# Altium PCB host_board.PcbDoc (part 2 of 7)
Units mm, origin at the board's own origin, x right, y up, seen from the top; angles counter-clockwise.
Board outline 87.1 x 62.94 mm, 4 copper layers (Top Layer, GND, Power, Bottom Layer), stack 1.59 mm thick; 217 components, 247 nets, 1076 pads, 563 vias.
Unrouted connection lines stored in the file: 56.
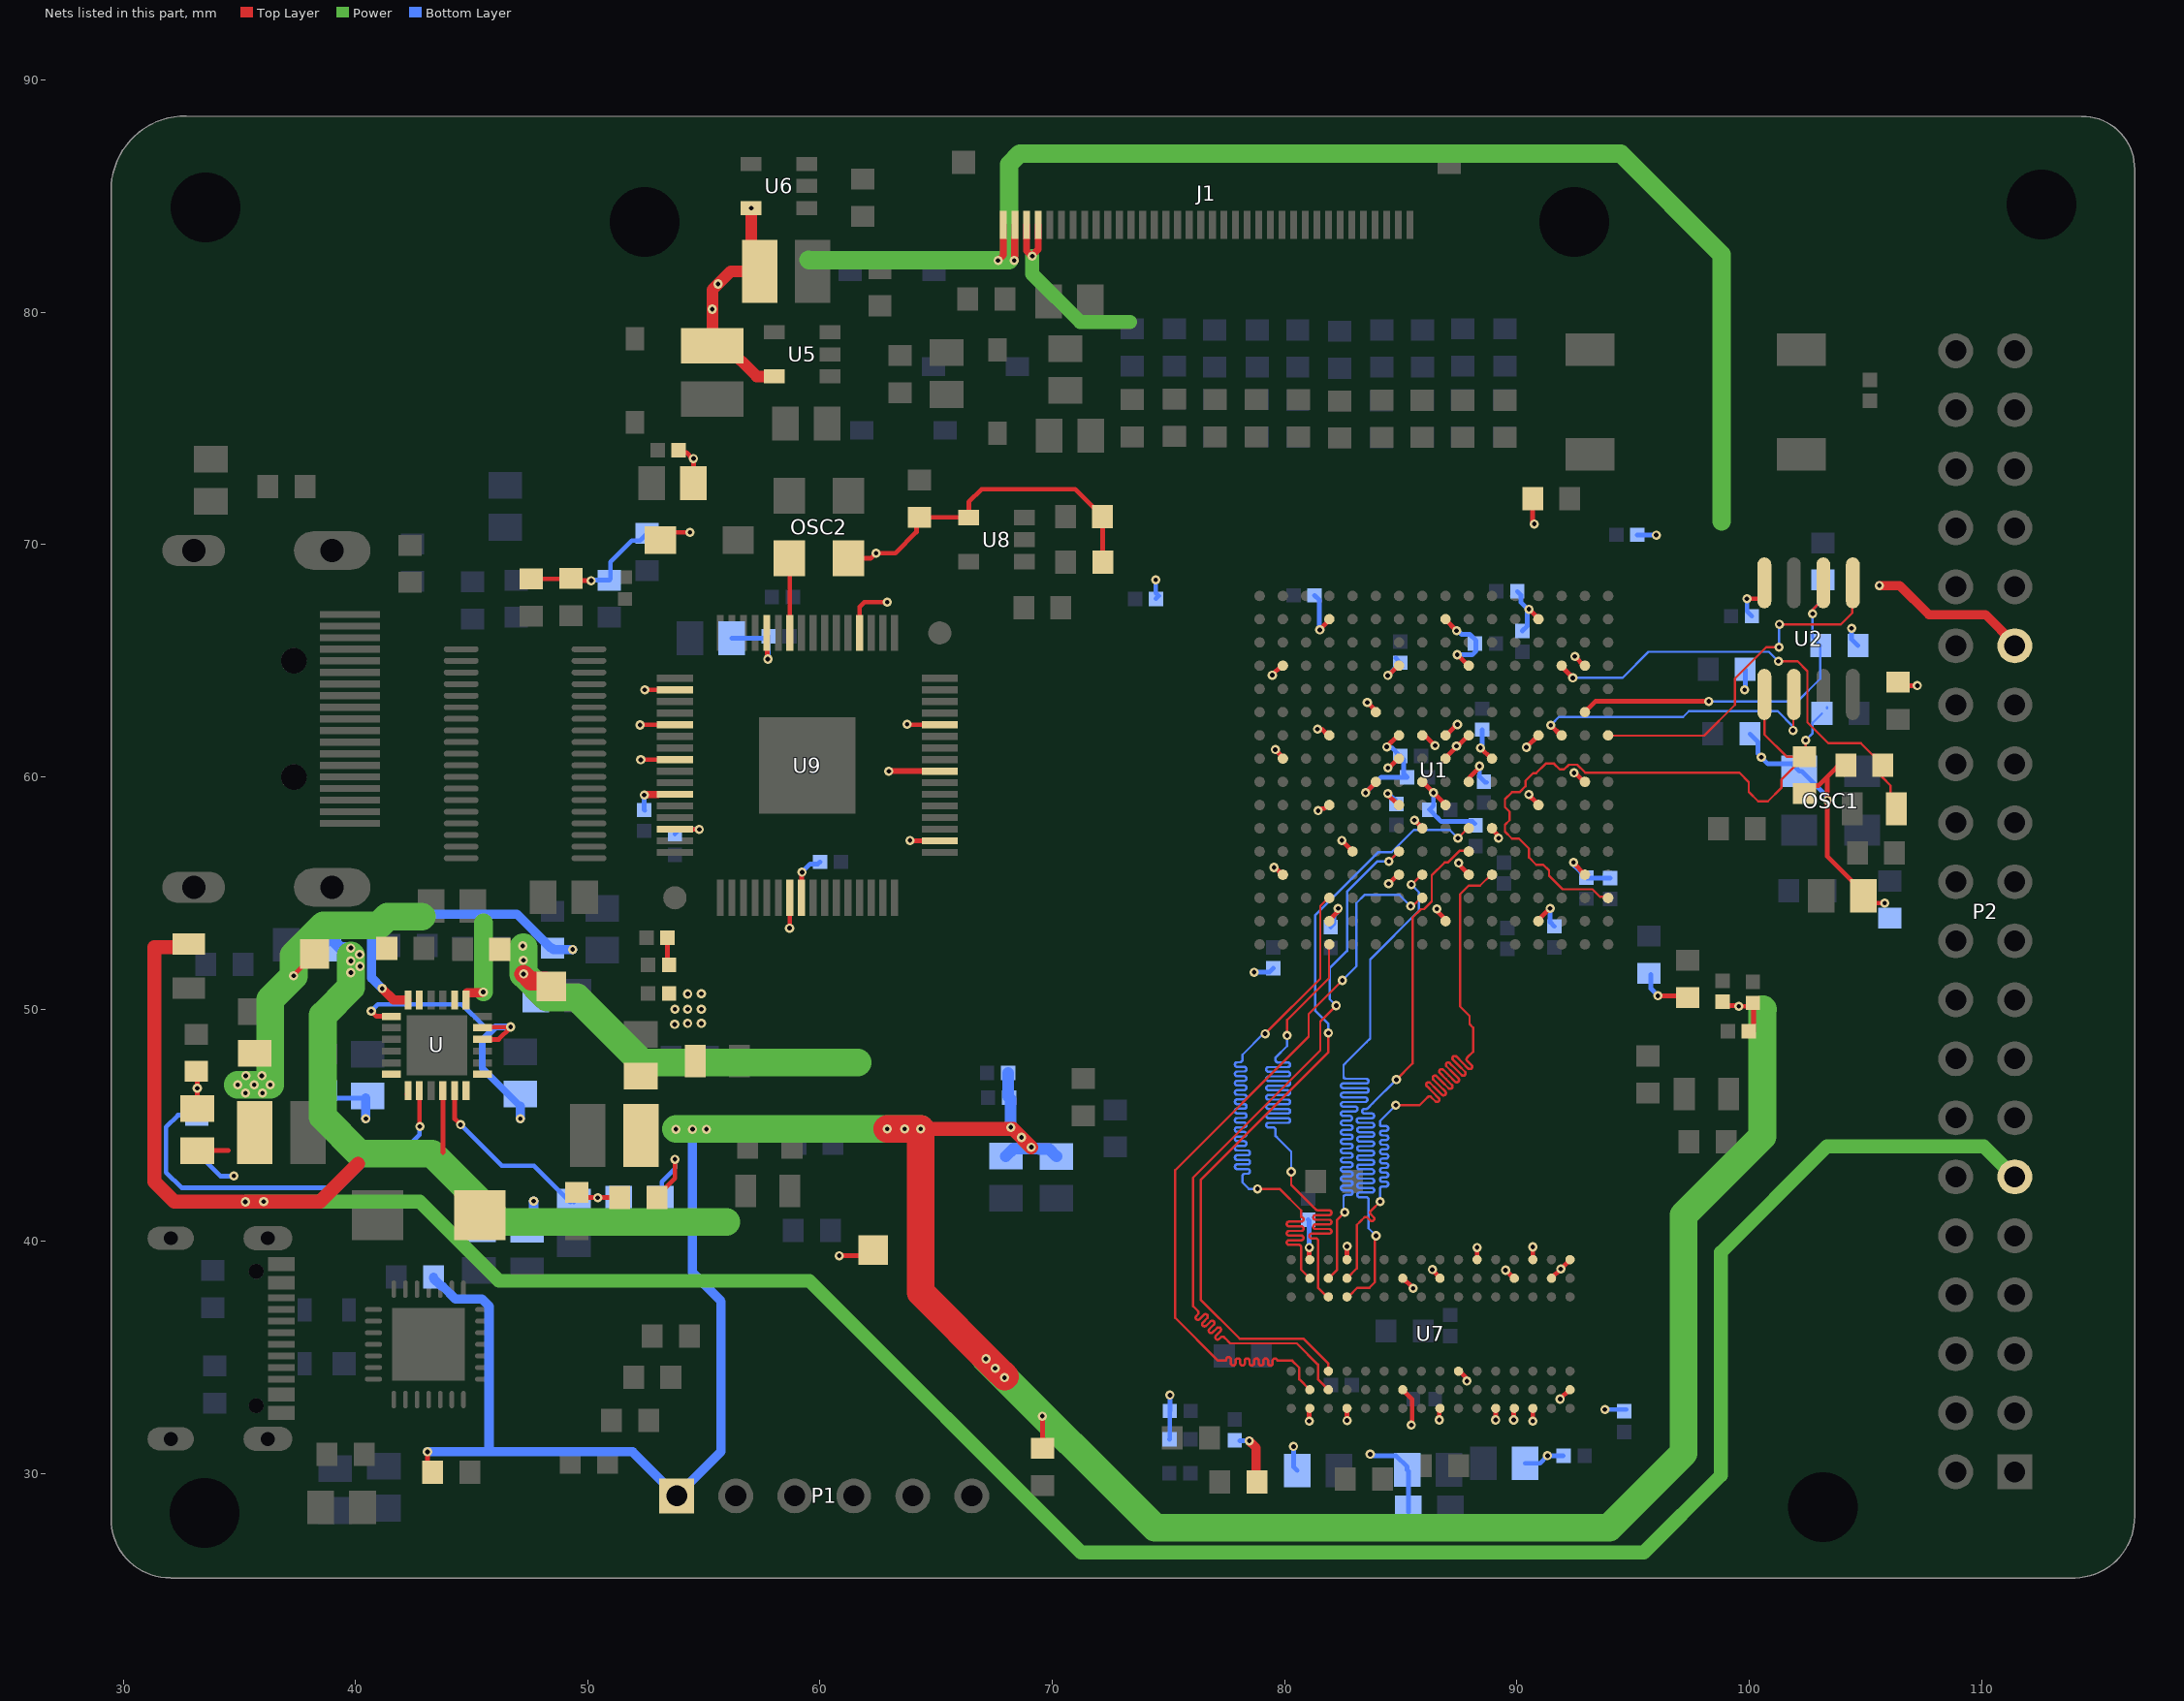
[diagram p4: the nets of this part, all layers, seen from the top]

## Footprints (in the part's own frame and the unit in brackets; to place one, negate y for a bottom-side part, rotate by r counter-clockwise, add the part's x,y. Pads: shape width x height; smd on the part's side, far side on the other; paste and mask are expansions set on the pad) (continued)
MOLX-54104-3633 [mm] "FPC Connector, 36-Leads, Right Angle, Pitch 0.5 mm, Mated Height 2.0 mm, SMT"
  rect 0.3x1.2 smd: 1(-8.75,1.35) 2(-8.25,1.35) 3(-7.75,1.35) 4(-7.25,1.35) 5(-6.75,1.35) 6(-6.25,1.35) 7(-5.75,1.35) 8(-5.25,1.35) 9(-4.75,1.35) 10(-4.25,1.35) 11(-3.75,1.35) 12(-3.25,1.35) 13(-2.75,1.35) 14(-2.25,1.35) 15(-1.75,1.35) 16(-1.25,1.35) 17(-0.75,1.35) 18(-0.25,1.35) 19(0.25,1.35) 20(0.75,1.35) 21(1.25,1.35) 22(1.75,1.35) 23(2.25,1.35) 24(2.75,1.35) 25(3.25,1.35) 26(3.75,1.35) 27(4.25,1.35) 28(4.75,1.35) 29(5.25,1.35) 30(5.75,1.35) 31(6.25,1.35) 32(6.75,1.35) 33(7.25,1.35) 34(7.75,1.35) 35(8.25,1.35) 36(8.75,1.35)
  rect 1x1 smd mask+0: MP1(-10.45,-1.35) MP2(10.45,-1.35)
  Top Layer region: -9.65,-2.55 -9.65,-0.15 -11.25,-0.15 -11.25,-0.95 -12.05,-0.95 -12.05,-2.55
  Top Layer region: 9.65,-2.55 9.65,-0.15 11.25,-0.15 11.25,-0.95 12.05,-0.95 12.05,-2.55
  silkscreen extent -11.75,-5.5 11.75,2.62, body extent -11.75,-5.5 11.75,1.65, height 2.06
OSC_IQD_CFPS-69 [mm] "Oscillator, Side Concave, 2.54mm Pitch, 4 Pins, 3.20mm L X 5.00mm W X 1.00mm H, CFPS-69 Series"
  rect 1.55x1.35 smd: 1(-1.35,1.27) 2(-1.35,-1.27) 3(1.35,-1.27) 4(1.35,1.27)
  silkscreen extent -2.33,-2.5 1.6,2.67, body extent -1.7,-2.6 1.7,2.6, height 0.95
PB_TYCO_FSM6JSMA [mm] "Body 6mm x 6mm, Surface Mount Tactile Switches, TYCO FSM6JSMA Series"
  rect 1.4x2.1 smd: 1(-2.25,4.55) 2(-2.25,-4.55) 3(2.25,4.55) 4(2.25,-4.55)
  silkscreen extent -3,-3 3,3, body extent -3,-5 3,5, height 7.11
QFN400X400X80-25N [mil]
  rect 32x12 smd: 1(-77,49) 2(-77,30) 3(-77,10) 4(-77,-10) 5(-77,-30) 6(-77,-49) 13(77,-49) 14(77,-30) 15(77,-10) 16(77,10) 17(77,30) 18(77,49)
  rect 12x32 smd: 7(-49,-77) 8(-30,-77) 9(-10,-77) 10(10,-77) 11(30,-77) 12(49,-77) 19(49,77) 20(30,77) 21(10,77) 22(-10,77) 23(-30,77) 24(-49,77)
  rect 102x102 smd: 25(0,0)
  silkscreen extent -79,-79 79,79
QFP50P1200X1200X120-65N-S415 [mm] "QFP,0.50mm pitch,square;16 pin X 16 pin,10.00mm X 10.00mm X 1.20mm H body (w/thermal tab 4.15 X 4.15 mm), IPC Medium Density"
  rect 1.55x0.3 smd: 1(-5.7,3.75) 2(-5.7,3.25) 3(-5.7,2.75) 4(-5.7,2.25) 5(-5.7,1.75) 6(-5.7,1.25) 7(-5.7,0.75) 8(-5.7,0.25) 9(-5.7,-0.25) 10(-5.7,-0.75) 11(-5.7,-1.25) 12(-5.7,-1.75) 13(-5.7,-2.25) 14(-5.7,-2.75) 15(-5.7,-3.25) 16(-5.7,-3.75) 33(5.7,-3.75) 34(5.7,-3.25) 35(5.7,-2.75) 36(5.7,-2.25) 37(5.7,-1.75) 38(5.7,-1.25) 39(5.7,-0.75) 40(5.7,-0.25) 41(5.7,0.25) 42(5.7,0.75) 43(5.7,1.25) 44(5.7,1.75) 45(5.7,2.25) 46(5.7,2.75) 47(5.7,3.25) 48(5.7,3.75)
  rect 0.3x1.55 smd: 17(-3.75,-5.7) 18(-3.25,-5.7) 19(-2.75,-5.7) 20(-2.25,-5.7) 21(-1.75,-5.7) 22(-1.25,-5.7) 23(-0.75,-5.7) 24(-0.25,-5.7) 25(0.25,-5.7) 26(0.75,-5.7) 27(1.25,-5.7) 28(1.75,-5.7) 29(2.25,-5.7) 30(2.75,-5.7) 31(3.25,-5.7) 32(3.75,-5.7) 49(3.75,5.7) 50(3.25,5.7) 51(2.75,5.7) 52(2.25,5.7) 53(1.75,5.7) 54(1.25,5.7) 55(0.75,5.7) 56(0.25,5.7) 57(-0.25,5.7) 58(-0.75,5.7) 59(-1.25,5.7) 60(-1.75,5.7) 61(-2.25,5.7) 62(-2.75,5.7) 63(-3.25,5.7) 64(-3.75,5.7)
  rect 4.15x4.15 smd: 65(0,0)
  round 1 smd paste-0.51 mask+0.5: FTG1(-5.7,-5.7) FTG2(5.7,5.7)
  Top Layer keep-out circle w0.1: c5.7,5.7 r1
  Top Layer keep-out circle w0.1: c-5.7,-5.7 r1
  silkscreen extent -6.32,-4.55 4.55,4.55, body extent -6.1,-6.1 6.1,6.1, height 1.2
RESC1005X40N [mm] "Chip Resistor, EIA 0402, Metric 1005, Body 1.0x0.5mm, IPC Medium Density"
  rect 0.58x0.62 smd: 1(-0.47,0) 2(0.47,0)
  body extent -0.52,-0.27 0.53,0.28, height 0.4
RESC1608X55N [mm] "Chip Resistor, EIA 0603, Metric 1608, Body 1.6x0.8mm, IPC Medium Density"
  rect 0.9x1 smd: 1(-0.8,0) 2(0.8,0)
  body extent -0.87,-0.47 0.88,0.48, height 0.55
SLAB-QFN-28-3125x3125TP_A_L [mm] "QFN, 28-Leads, Body 5x5mm, Pitch 0.5mm, Thermal Pad 3.13x3.13mm, IPC High Density"
  oval 0.75x0.2 smd: 1(-2.375,1.5) 2(-2.375,1) 3(-2.375,0.5) 4(-2.375,0) 5(-2.375,-0.5) 6(-2.375,-1) 7(-2.375,-1.5) 15(2.375,-1.5) 16(2.375,-1) 17(2.375,-0.5) 18(2.375,0) 19(2.375,0.5) 20(2.375,1) 21(2.375,1.5)
  oval 0.2x0.75 smd: 8(-1.5,-2.375) 9(-1,-2.375) 10(-0.5,-2.375) 11(0,-2.375) 12(0.5,-2.375) 13(1,-2.375) 14(1.5,-2.375) 22(1.5,2.375) 23(1,2.375) 24(0.5,2.375) 25(0,2.375) 26(-0.5,2.375) 27(-1,2.375) 28(-1.5,2.375)
  rect 3.13x3.13 smd: 29(0,0)
  silkscreen extent -3.42,-2.65 2.65,2.65, body extent -2.5,-2.5 2.5,2.5, height 1
SOD3715X145N [mm] "SOD Diode (SOD-123); 2.70mm W X 1.55mm L X 1.45mm H body, IPC Medium Density"
  rect 1x0.8 smd: 1(-1.8,0) 2(1.8,0)
  silkscreen extent -2.17,-0.8 1.35,1.02, body extent -1.95,-0.85 1.95,0.85, height 1.45
SOT190P230X110-4N [mm] "SOT143, SOT, 1.90mm Pitch; 4 Pin, 1.30mm W X 2.90mm L X 1.10mm H body, IPC Medium Density"
  rect 1x1 smd: 1(-1.15,0.75)
  rect 1x0.6 smd: 2(-1.15,-0.95) 3(1.15,-0.95) 4(1.15,0.95)
  silkscreen extent -1.52,-1.45 0.33,1.88, body extent -1.25,-1.5 1.25,1.5, height 1.1
SOT-23-OT5_L [mm] "SOT23, 5-Leads, Body 2.9x1.6mm, Pitch 0.95mm, Lead Span 2.7mm, IPC High Density"
  rect 0.9x0.65 smd: 1(-1.2,0.95) 2(-1.2,0) 3(-1.2,-0.95) 4(1.2,-0.95) 5(1.2,0.95)
  silkscreen extent -1.33,-1.55 0.35,1.95, body extent -0.9,-1.55 0.9,1.55, height 1.45
TE_1827059-3 [mm]
  rect 0.3x2.6 smd: 1(4.5,5) 2(4,5) 3(3.5,5) 4(3,5) 5(2.5,5) 6(2,5) 7(1.5,5) 8(1,5) 9(0.5,5) 10(0,5) 11(-0.5,5) 12(-1,5) 13(-1.5,5) 14(-2,5) 15(-2.5,5) 16(-3,5) 17(-3.5,5) 18(-4,5) 19(-4.5,5)
  oval 1.65x3.3 hole 1 slot 2.5 at 90 deg: S1(7.25,4.24) S2(-7.25,4.24)
  oval 1.35x2.7 hole 1 slot 1.5 at 90 deg: S3(-7.25,-1.72) S4(7.25,-1.72)
  round 1.1 hole 1.1 unplated: ""(-2.5,2.59) ""(2.5,2.59)
  silkscreen extent -7.5,-6.31 7.5,5.86, body extent -7.5,-6.26 7.5,5.84, height 6.09
TI-DBV5_L [mm] "SOT23, 5-Leads, Body 2.9x1.6mm, Pitch 0.95mm, IPC High Density"
  rect 0.9x0.6 smd: 1(-1.2,0.95) 2(-1.2,0) 3(-1.2,-0.95) 4(1.2,-0.95) 5(1.2,0.95)
  silkscreen extent -1.33,-1.55 0.35,1.92, body extent -0.87,-1.52 0.87,1.53, height 1.45
TPS127 [mm] "1.27 x  1.27mm SMD Test Point Area"
  rect 1.27x1.27 smd paste-1.27: 1(0,0)
  silkscreen extent -0.93,-0.94 0.94,0.93

## Part data
1V2 1V5 1V8: library part SMD_PAD_1.27X1.27MM, Author="CERN DEM JLC", Component Type="Standard (No BOM)", ComponentHeight=0mm, CreateDate=12.01.2008, Family="Test Point", HelpURL=Undefined, LatestRevisionDate=12.01.2008, Mounted=No, PackageDescription="1.27mm x 1.27mm PCB Copper Area (SMD Test Point)", Part Description="1.27mm x 1.27mm PCB Copper Area (SMD Test Point)", Part Number=SMD_PAD_1.27X1.27MM, Pin Count=1, Sense=No, SMD=Yes, Socket=No, Status=None
C1 C2 C3 C5 C8 C9 C12 C13 C30 C31 C38 C39 C40 C41 C42 C43 C44 C45 C46 C47 C48 C49 C50 C51 C52 C53 C54 C55 C56 C57 C58 C59 C61 C66 C67 C68 C69 C70 C71 C72 C74 C75 C76 C77 C78 C80: library part CC0402_100NF_16V_10%_X5R, "Non-polarised capacitor", Case=0402, Manufacturer=GENERIC, Manufacturer1 ComponentHeight=0.55mm, Manufacturer1 Example=MURATA, Manufacturer1 Part Number=GRM155R61C104KA88D, Tolerance=±10%, Voltage=16V, Author="CERN DEM JLC", Component Type=Standard, CreateDate=10.12.2013, HelpURL=\\cern.ch\dfs\Applications\Altium\Datasheets\CC0402_X5R_MURATA_GRM.pdf, LatestRevisionDate=10.12.2013, Manufacturer Part Number=CC0402_100NF_16V_10%_X5R, Mounted=Yes, Part Description="SMD Multilayer Chip Ceramic Capacitor", Part Number=CC0402_100NF_16V_10%_X5R, Pin Count=2, Sense=No, SMD=Yes, Socket=No, Status=None, TC=X5R
C4 C6 C7 C10 C11 C14 C15 C16 C17 C18 C19 C20 C21 C22 C23 C24 C25 C26 C27 C28 C29 C32 C33 C34 C35 C36 C37 C60 C62 C63 C64 C65 C79: library part CC0805_1.5NF_50V_5%_C0G, "Non-polarised capacitor", Case=0805, Manufacturer=GENERIC, Manufacturer1 ComponentHeight=1mm, Manufacturer1 Example=KEMET, Manufacturer1 Part Number=C0805C152J5GACTU, Tolerance=±5%, Voltage=50V, Author="CERN DEM BC", Component Type=Standard, CreateDate=18.11.2015, HelpURL="\\cern.ch\dfs\Applications\Altium\Datasheets\CC0805_C0G_KEMET_(Commercial Grade).pdf", LatestRevisionDate=18.11.2015, Manufacturer Part Number=CC0805_1.5NF_50V_5%_C0G, Mounted=Yes, Part Description="SMD Multilayer Chip Ceramic Capacitor", Part Number=CC0805_1.5NF_50V_5%_C0G, Pin Count=2, Sense=No, SMD=Yes, Socket=No, Status=Preferred, TC=C0G/NP0
D1: "Zener Diode", Case=SMB, Manufacturer="ON SEMICONDUCTOR", Power=3W, Voltage=4.7V, Author="CERN DEM MR", Bonding=No, Component Type=Standard, ComponentHeight=2.44mm, CreateDate=05.09.2016, Device=1SMB5917BT3G, HelpURL=\\cern.ch\dfs\Applications\Altium\Datasheets\1SMB5917BT3G.pdf, LatestRevisionDate=05.09.2016, Manufacturer Part Number=1SMB5917BT3G, Mounted=Yes, PackageDescription="DO-214-AA/SMB Diode, Molded Body; 5.40mm L X 3.62mm W X 2.44mm H, IPC Medium Density", Part Description="Plastic Surface Mount Zener Voltage Regulator Diode", Part Number=1SMB5917BT3G, Pin Count=2, PressFit=No, Sense=No, SMD=Yes, Socket=No
D2: "Ultra Low Capacitance Double Rail-to-Rail ESD Protection Diode", Case=SOT143B, Manufacturer="NXP SEMICONDUCTORS", Voltage=5.5V, Author="CERN DEM JLC", Bonding=No, Component Type=Standard, ComponentHeight=1.1mm, CreateDate=22.03.2011, Device=PRTR5V0U2X, HelpURL=\\cern.ch\dfs\Applications\Altium\Datasheets\PRTR5V0U2X.pdf, LatestRevisionDate=22.03.2011, Manufacturer Part Number=PRTR5V0U2X, Mounted=Yes, PackageDescription="SOT143B, SOT, 1.90mm Pitch; 4 Pin, 1.30mm W X 2.90mm L X 1.10mm H body, IPC Medium Density", Part Description="Ultra Low Capacitance (1pF) Double Rail-to-Rail ESD Protection Diode (8kV)", Part Number=PRTR5V0U2X, Pin Count=4, PressFit=No, Sense=No, SMD=Yes, Socket=No
D3 D4 D5 D6: "Zener Diode", Case=SOD123, Manufacturer="DIODES INCORPORATED", Power=0.5W, Voltage=5V6, Author="CERN DEM JLC", Bonding=No, ComponentHeight=1.45mm, Component Type=Standard, CreateDate=02.03.2015, Device=BZT52C5V6, HelpURL=\\cern.ch\dfs\Applications\Altium\Datasheets\BZT52C5V6.pdf, LatestRevisionDate=02.03.2015, Manufacturer Part Number=BZT52C5V6, Mounted=Yes, PackageDescription="SOD Diode (SOD123); 2.70mm W X 1.55mm L X 1.45mm H body, IPC Medium Density", Part Description="Surface Mount Zener Diode", Part Number=BZT52C5V6, Pin Count=2, PressFit=No, Sense=No, SMD=Yes, Socket=No
D7: "Zener Diode", Case=SOD123, Manufacturer="DIODES INCORPORATED", Power=500mW, Voltage=2V7, Author="CERN DEM JLC", Bonding=No, ComponentHeight=1.45mm, Component Type=Standard, CreateDate=02.03.2015, Device=BZT52C2V7, HelpURL=\\cern.ch\dfs\Applications\Altium\Datasheets\BZT52C2V7.pdf, LatestRevisionDate=02.03.2015, Manufacturer Part Number=BZT52C2V7, Mounted=Yes, PackageDescription="SOD Diode (SOD123); 2.70mm W X 1.55mm L X 1.45mm H body, IPC Medium Density", Part Description="Surface Mount Zener Diode", Part Number=BZT52C2V7, Pin Count=2, PressFit=No, Sense=No, SMD=Yes, Socket=No
DSI_R1 DSI_R2 DSI_R3 DSI_R4 DSI_R5 DSI_R6 DSI_R7 DSI_R8 DSI_R9 DSI_R10 DSI_R11 DSI_R12 DSI_R13 DSI_R14 DSI_R15 DSI_R16 DSI_R17 DSI_R18 DSI_R19 DSI_R20 DSI_R21 DSI_R22 DSI_R23 DSI_R24 DSI_R25 DSI_R26 DSI_R27 DSI_R28 DSI_R29 DSI_R30 R7 R8 R9 R10 R11 R13 R14 R15 R16 R17 R18 R19 R20 R21 R22 R23 R24 R25 R26 R27 R28 R29 R30 R31 R32 R33 R34 R35 R36 R37 R38 R39 R40 R41 R42 R43 R44 R45 R46 R47 R48 R49 R50 R51 R52 R53 R54 R55 R56 R57 R58 R59 R65 R66 R74 R75 R76 R77 R78 R81 R82 R83 R84 R85 R86 R87 R90: library part R0603_100K_1%_0.1W_100PPM, "Resistor - 1%", Case=0603, Manufacturer=GENERIC, Manufacturer1 ComponentHeight=0.55mm, Manufacturer1 Example="NIC COMPONENT", Manufacturer1 Part Number=NRC06F1003TRF, Power=0.1W, Tolerance=±1%, Author="CERN DEM JLC", Component Type=Standard, CreateDate=03.12.2007, HelpURL=\\cern.ch\dfs\Applications\Altium\Datasheets\R0603_NIC_NRC.pdf, LatestRevisionDate=13.03.2008, Manufacturer Part Number=R0603_100K_1%_0.1W_100PPM, Mounted=Yes, Part Description="General Purpose Thick Film Chip Resistor", Part Number=R0603_100K_1%_0.1W_100PPM, Pin Count=2, PressFit=No, Sense=No, SMD=Yes, Socket=No, Status=Preferred, TC=±100ppm/°C
J1: "0.5 mm Pitch Easy-On(TM) Type FPC Connector, 2.0 mm Mated Height, Right Angle, ZIF, SMT, Top Contact, 36 Circuits, -40 to 85 degC, ELV and RoHS Compliant, Tape and Reel", Current (Max per Contact)=0.5A, Manufacturer=Molex, Supplier Part Number 1=538-54104-3633, Voltage (Max)=50V, Circuits (Loaded)=36, ComponentLink1Description="Manufacturer URL", ComponentLink1URL=http://www.molex.com/molex/index.jsp, ComponentLink2Description=Datasheet, ComponentLink2URL=http://www.molex.com/webdocs/datasheets/pdf/en-us/0541043633_FFC_FPC_CONNECTORS.pdf, ComponentLink3Description="Package Specification", ComponentLink3URL=http://www.molex.com/pdm_docs/sd/541043633_sd.pdf, Contact Position=Top, Durability (mating cycles max)=20, Entry Angle="90degrees Angle", Mated Height=2.00mm, Material - Metal="Phosphor Bronze", Material - Plating Mating="Silver, Tin-Bismuth", Material - Plating Termination="Silver, Tin-Bismuth", Mounting Technology="Surface Mount", Number of Rows=1, Orientation="Right Angle", PackageDescription="36-Lead FPC Connector, Pitch 0.5 mm", PackageReference=54104-3633, PackageVersion="Rev. C, 04/2014", Packing="Tape and Reel", PartNumber=54104-3633, PCB Locator=No, PCB Retention=None, Pitch - Mating Interface=0.50mm, Pitch - Termination Interface=0.50mm, Polarized to PCB=Yes, RoHS=TRUE, Stackable=No, Supplier 1=Mouser
L1 L2 L3 L4: library part IND_22UH_10%_MURATA-PS_8200, "Inductor With Core", Manufacturer="MURATA POWER SOLUTIONS", Manufacturer Part Number=82223C, Power=320mA, Resistance=0.92R, Tolerance=±10%, Author="CERN DEM JMW", ComponentHeight=2.3mm, Component Type=Standard, CreateDate=07.10.2015, HelpURL=\\cern.ch\dfs\Applications\Altium\Datasheets\IND_MURATA-PS_8200.pdf, LatestRevisionDate=07.10.2015, Mounted=Yes, Part Description="Miniature Surface Mount Power Inductor (8200 Series)", Part Number=IND_22UH_10%_MURATA-PS_8200, Pin Count=2, Sense=No, SMD=Yes, Socket=No, Status=None
L5: library part IND1206_MURATA_BLM31PG500SN1, "Inductor", Case=1206, Manufacturer=MURATA, Manufacturer Part Number=BLM31PG500SN1, Power=3.5A, Resistance=0.015R, Author="CERN DEM JLC", Component Type=Standard, ComponentHeight=1.3mm, CreateDate=05.12.2013, HelpURL=\\cern.ch\dfs\Applications\Altium\Datasheets\IND1206_MURATA_BLM31P.pdf, LatestRevisionDate=05.12.2013, Mounted=Yes, Part Description="SMD EMIFIL Chip Ferrite Bead", Part Number=IND1206_MURATA_BLM31PG500SN1, Pin Count=2, Sense=No, SMD=Yes, Socket=No, Status=None
LD1 LD2 LD4 LD5 LD8 LD9: library part LED_OSRAM_LSR976, "LED Red 1C 2A", Case=0805, Manufacturer=OSRAM, Manufacturer Part Number=LSR976, Author="CERN DEM JLC", Bonding=No, Color="Super Red", ComponentHeight=0.9mm, Component Type=Standard, CreateDate=18.05.2010, HelpURL=\\cern.ch\dfs\Applications\Altium\Datasheets\LED_OSRAM_LSR976.pdf, LatestRevisionDate=18.05.2010, Mounted=Yes, PackageDescription="Super Red Chip LED, 2-Leads, Body 2 x1.25mm, IPC Medium Density", Part Description="Surface Mount Super Red LED (0805 Case)", Part Number=LED_OSRAM_LSR976, Pin Count=2, PressFit=No, Sense=No, SMD=Yes, Socket=No
OSC1 OSC2: library part OSC_50MHZ_IQD_LFSPXO009592, "Oscillator 4 pins 1=E 2=GND 3=OUT 4=+Vs", Manufacturer="IQD FREQUENCY PRODUCTS", Manufacturer Part Number=LFSPXO009592, Author="CERN DEM JLC", Bonding=No, ComponentHeight=0.95mm, Component Type=Standard, CreateDate=16.03.2010, HelpURL=\\cern.ch\dfs\Applications\Altium\Datasheets\OSC_IQD_LFSPXO009592.pdf, LatestRevisionDate=07.11.2016, Mounted=Yes, PackageDescription="Oscillator, Side Concave, 2.54mm Pitch, 4 Pins, 3.20mm L X 5.00mm W X 1.00mm H, CFPS-69 Series", Part Description="3.3V, ±50ppm,  -40..85°C, CMOS Surface Mount Clock Oscillator, Low Current (CFPS-69 Series)", Part Number=OSC_50MHZ_IQD_LFSPXO009592, Pin Count=4, PressFit=No, Sense=No, SMD=Yes, Socket=No
P1: "Header, 6-Pin", LatestRevisionDate=17-Jul-2002, LatestRevisionNote="Re-released for DXP Platform.", Publisher="Altium Limited"
P2: library part "Header 20X2", "Header, 20-Pin, Dual row", LatestRevisionDate=17-Jul-2002, LatestRevisionNote="Re-released for DXP Platform.", Publisher="Altium Limited"
P4: "EMBOSS PACKAGE HDMI CONN SMT NO-FLANGE T", Package=None, Availability=Unavailable, EU_RoHS_Compliance=Compliant, MF="TE Connectivity", MP=1827059-3, Price=None, SnapEDA_Link=https://www.snapeda.com/parts/1827059-3/TE%20Connectivity%20AMP%20Connectors/view-part/1316486/?ref=snap, TE_purchase_URL=https://www.te.com/usa-en/product-1827059-3.html?te_bu=Cor&te_type=disp&te_campaign=seda_glo_cor-seda-global-disp-prtnr-fy19-seda-model-bom-cta_sma-317_1&elqCampaignId=32493
PB1: library part PB_TYCO_FSM6JSMA, "Push-Button Switch SPDT", Manufacturer="TYCO ELECTRONICS", Manufacturer Part Number="FSM6JSMA or  4-1437565-9", Author="CERN DEM JLC", Component Type=Standard, ComponentHeight=7.11mm, CreateDate=21.06.2012, Family="Push Button", HelpURL=\\cern.ch\dfs\Applications\Altium\Datasheets\PB_TYCO_FSM6JSMA.pdf, LatestRevisionDate=21.06.2012, Mounted=Yes, PackageDescription="Body 6mm x 6mm, Surface Mount Tactile Switches, TYCO ALCOSWITCH FSMJSMA Series", Part Description="12VDC 50mA SPST Tactile  Push-Button Switch", Part Number=PB_TYCO_FSM6JSMA, Pin Count=4, PressFit=No, Sense=No, SMD=Yes, Socket=No, Status=None
R12: library part R0402_100R_1%_0.0625W_100PPM, "Resistor - 1%", Case=0402, Manufacturer=GENERIC, Manufacturer1 ComponentHeight=0.4mm, Manufacturer1 Example="YAGEO PHYCOMP", Manufacturer1 Part Number=232270671001L, Power=0.0625W, Tolerance=±1%, Author="CERN DEM JLC", Component Type=Standard, CreateDate=03.12.2007, HelpURL=\\cern.ch\dfs\Applications\Altium\Datasheets\R0402_Phycomp_RC0402.pdf, LatestRevisionDate=17.10.2012, Manufacturer Part Number=R0402_100R_1%_0.0625W_100PPM, Mounted=Yes, Part Description="General Purpose Thick Film Chip Resistor", Part Number=R0402_100R_1%_0.0625W_100PPM, Pin Count=2, PressFit=No, Sense=No, SMD=Yes, Socket=No, Status="Not Recommended", TC=±100ppm/°C
R64: library part R0402_10K_1%_0.0625W_100PPM, "Resistor - 1%", Case=0402, Manufacturer=GENERIC, Manufacturer1 ComponentHeight=0.4mm, Manufacturer1 Example="YAGEO PHYCOMP", Manufacturer1 Part Number=232270671003L, Power=0.0625W, Tolerance=±1%, Author="CERN DEM JLC", Component Type=Standard, CreateDate=03.12.2007, HelpURL=\\cern.ch\dfs\Applications\Altium\Datasheets\R0402_Phycomp_RC0402.pdf, LatestRevisionDate=17.10.2012, Manufacturer Part Number=R0402_10K_1%_0.0625W_100PPM, Mounted=Yes, Part Description="General Purpose Thick Film Chip Resistor", Part Number=R0402_10K_1%_0.0625W_100PPM, Pin Count=2, PressFit=No, Sense=No, SMD=Yes, Socket=No, Status="Not Recommended", TC=±100ppm/°C
U: "PMIC - Voltage Regulators - Linear + Switching 4 Output Step-Down _Buck_ Synchronous _2_, Linear _LDO_ _2_ 2MHz 24-WQFN _4x4_", Package="WQFN-24 Texas Instruments", Availability=Unavailable, MF="Texas Instruments", MP=LM26480SQ-AA, Price=None, SnapEDA_Link=https://www.snapeda.com/parts/LM26480SQ-AA/Texas%20Instruments/view-part/28484/?ref=snap
U1: "Spartan-6 LX 1.2V FPGA, 186 User I/Os, 256-Ball Fine-Pitch Thin BGA (1.0mm Pitch), Speed Grade 2, Commercial Grade, Pb-Free", Code_JEDEC=MS-034-AAF-1*, ComponentLink1Description="Manufacturer URL", ComponentLink1URL=http://www.xilinx.com/, ComponentLink2Description="Spartan-6 Datasheet", ComponentLink2URL=http://www.xilinx.com/support/documentation/data_sheets/ds160.pdf, ComponentLink3Description="Spartan-6 Documents", ComponentLink3URL=http://www.xilinx.com/support/documentation/spartan-6.htm, DatasheetVersion="ver1.6, Nov-2010", PackageDescription="256-Ball Fine Pitch Thin Ball Grid Array 1.00 mm Pitch (FTG256) - Pb-Free", PackageReference=FTG256, PackageVersion="ver1.3, Oct-2007"
U2: "8 Mb (x1) Serial NOR Flash Memory, 75 MHz, 2.7 to 3.6 V, 8-pin SO8 Narrow (MN), Tube", Manufacturer=Micron, Package="SO8 Narrow", Voltage=2.7V-3.6V, Applications=Embedded, ComponentLink1Description="Manufacturer URL", ComponentLink1URL=http://www.micron.com/, ComponentLink2Description=Datasheet, ComponentLink2URL=http://www.micron.com/~/media/Documents/Products/Data%20Sheet/NOR%20Flash/Serial%20NOR/M25P/M25P80.pdf, ComponentLink3Description="Package Specification", ComponentLink3URL=http://www.micron.com/~/media/Documents/Products/Data%20Sheet/NOR%20Flash/Serial%20NOR/M25P/M25P05A.pdf, DatasheetVersion="Rev. Y", Density=8Mb, Mounting Technology="Surface Mount", PackageDescription="8-Pin SO Narrow, 3.9 X 4.9 mm, Pitch 1.27 mm", PackageReference=MICT-MN-8, PackageVersion="Rev 11", Part Family=M25P, PartNumber=M25P80-VMN6P, Part Status=Production, RoHS=Yes, Speed="75 MHz", Type="Data Storage", Width=x1
U4: "Single-Chip USB to UART Bridge, 1024 Bytes EEPROM, -40 to 85 degC, 28-pin QFN, Tube", Manufacturer="Silicon Labs", Supplier Part Number 1=336-1164-ND, ComponentLink1Description="Manufacturer URL", ComponentLink1URL=http://www.silabs.com/, ComponentLink2Description=Datasheet, ComponentLink2URL=http://www.silabs.com/Support%20Documents/TechnicalDocs/CP2103.pdf, ComponentLink3Description="Package Specification", ComponentLink3URL=http://www.silabs.com/Support%20Documents/TechnicalDocs/C8051F35x.pdf, DatasheetVersion="Rev. 1.0", EEPROM="1024 Bytes", Internal Oscillator=TRUE, Mounting Technology="Surface Mount", PackageDescription="28-Pin Quad-Flat No-Leads Package, Body 5 x 5 mm, Pitch 0.5 mm", PackageReference=QFN-28, PartNumber=CP2103-GM, Sub-Family="USB Bridges", Supplier 1=Digi-Key, Supplier 2=Farnell, Supplier 3=Newark, Supplier 4=Mouser, Supplier Part Number 2=1291538, Supplier Part Number 3=24M1109, Supplier Part Number 4=634-CP2103-GM
U5 U6: "28 V, 400 mA Switch Boost Converter for White LED Applications, 1.8 to 6 V, -40 to 85 degC, 5-pin SOT23 (DBV5), Green (RoHS & no Sb/Br)", Manufacturer="Texas Instruments", Rating=Catalog, Supplier Part Number 1=296-12685-2-ND, Switching Frequency(Max)(kHz)=1000, Code_JEDEC=MO-178, ComponentLink1Description="Manufacturer URL", ComponentLink1URL=http://www.ti.com/, ComponentLink2Description=Datasheet, ComponentLink2URL=http://www.ti.com/general/docs/lit/getliterature.tsp?genericPartNumber=TPS61040&fileType=pdf, ComponentLink3Description="Package Specification", ComponentLink3URL=http://www.ti.com/litv/pdf/mpds018i, DatasheetVersion=SLVS413F, Dimming=TRUE, Eco-Plan="Green (RoHS & no Sb/Br)", Iout(Max)(A)=0.09, Iq(Typ)(mA)=0.028, Mounting Technology="Surface Mount", PackageDescription="5-Pin Plastic Small Outline, Body 1.60 Г— 2.90 mm, Pitch 0.95 mm", PackageReference=DBV5, PackageVersion=4073253-4/K, PartNumber=TPS61040DBVR, SubFamily="White LED Driver", Supplier 1=Digi-Key, Supplier 2=Digi-Key, Supplier 3=Digi-Key, Supplier 4=Farnell, Supplier 5=Farnell, Supplier 6=Newark, Supplier 7=Mouser, Supplier Part Number 2=296-12685-1-ND, Supplier Part Number 3=296-12685-6-ND, Supplier Part Number 4=1461061, Supplier Part Number 5=1461061RL, Supplier Part Number 6=35K1326, Supplier Part Number 7=595-TPS61040DBVR, Topology=Boost, Vin(Max)(V)=6, Vin(Min)(V)=1.8
U7: "4Gb DDR3-1600 SDRAM, 256Mb x 16, 1.25ns, 1.5V, 0 to 95 degC, 96-Ball FBGA, Pb-Free", Manufacturer=Micron, Op. Temp.="0C to +95C", Package=FBGA, Voltage=1.5V, CL="CL = 11", Clock Rate="800 MHz", ComponentLink1Description="Manufacturer URL", ComponentLink1URL=http://www.micron.com/, ComponentLink2Description=Datasheet, ComponentLink2URL=http://www.micron.com/~/media/Documents/Products/Data%20Sheet/DRAM/4Gb_DDR3_SDRAM.pdf, ComponentLink3Description="Package Specification", ComponentLink3URL=http://www.micron.com/~/media/Documents/Products/Data%20Sheet/DRAM/4Gb_1_35V_DDR3L.pdf, Cycle Time=1.25ns, Data Rate=DDR3-1600, DatasheetVersion=Rev.J, Density=4Gb, Depth=256Mb, Mounting Technology="Surface Mount", PackageDescription="96-Ball Fine-Pitch Ball Grid Array, 14 x 9 mm, Pitch 0.8 mm", PackageReference=MICT-HA-96, PackageVersion=Rev.E, PartNumber=MT41J256M16HA-125, Pin Count=96-ball, RoHS=Yes, Width=x16
U8: "2Kbit, 400kHz, 1.7V, I2C Serial EEPROM, 5-Pin SOT-23, Industrial Temperature, Tape and Reel", Manufacturer=Microchip, Supplier Part Number 1=24AA02HT-I/OT-ND, Code_IPC=SOT23-5, ComponentLink1Description="Manufacturer URL", ComponentLink1URL=http://www.microchip.com/, ComponentLink2Description=Datasheet, ComponentLink2URL=http://ww1.microchip.com/downloads/en/DeviceDoc/22105A.pdf, ComponentLink3Description="Package Specification", ComponentLink3URL=http://www.microchip.com/stellent/groups/techpub_sg/documents/packagingspec/en012702.pdf, DatasheetVersion="revA, Sep-2008", Mounting Technology="Surface Mount", PackageDescription="5-Lead Plastic Small Outline Transistor (OT) [SOT-23]", PackageReference=SOT-23-OT5, PackageVersion="revBB, Aug-2009", PartNumber=24AA02HT-I/OT, Supplier 1=Digi-Key, Supplier 2=Mouser, Supplier Part Number 2=579-24AA02HT-I/OT
U9: "Low Power 165 MHz HDMI Receiver"
U10: "HDMI Receiver Port Protection and Interface Device, 12 Channels, -40 to +85 degC, 38-pin TSSOP (DBT), Green (RoHS & no Sb/Br)", Breakdown Voltage(Min)(V)=9, Differential Capacitance(pF)=0.05, IO Capacitance(Typ)(pF)=0.9, Manufacturer="Texas Instruments", Supplier Part Number 1=296-23617-2-ND, Code_JEDEC=MO-153, ComponentLink1Description=Datasheet, ComponentLink1URL=http://www.ti.com/general/docs/lit/getliterature.tsp?genericPartNumber=TPD12S520&fileType=pdf, ComponentLink2Description="URL Link1", ComponentLink2URL=SamplesURL:http://www.ti.com/product/tpd12s520#samples, DatasheetVersion=SLVS640C, Eco-Plan="Green (RoHS & no Sb/Br)", IEC 61000-4-2 Contact(+/- kV)=8, IO Leakage Current(nA)=0.05, Mounting Technology="Surface Mount", PackageDescription="38-Pin Plastic Small Outline 0.5 mm Pitch", PackageReference=DBT38, PackageVersion="revI, Mar-2011", PartNumber=TPD12S520DBTR, SubFamily="ESD Solution", Supplier 1=Digi-Key, Supplier 2=Digi-Key, Supplier 3=Digi-Key, Supplier 4=Newark, Supplier 5=Mouser, Supplier Part Number 2=296-23617-1-ND, Supplier Part Number 3=296-23617-6-ND, Supplier Part Number 4=85M0176, Supplier Part Number 5=595-TPD12S520DBTR
U15: "USB-C _USB TYPE-C_ USB 2.0 Receptacle Connector 24 _16+8 Dummy_ Position Surface Mount, Right Angle; Through Hole", Package=None, Availability=Unavailable, MF=GCT, MP=USB4105-GF-A, Price=None, SnapEDA_Link=https://www.snapeda.com/parts/USB4105-GF-A/Global%20Connector%20Technology/view-part/4423780/?ref=snap

## Free pads (board coordinates)
  round 1.524 hole 3 unplated: 1(33.5,28.317) 1(33.54,84.52) 1(52.45,83.897) 1(92.465,83.897) 1(103.16,28.567) 1(112.57,84.637)

## Via types
v1: diameter 0.4, hole 0.2, Top Layer to Bottom Layer, tented both sides, 485 vias
v2: diameter 0.4, hole 0.2, Top Layer to Bottom Layer, tented top, 61 vias
v3: diameter 0.5, hole 0.2, Top Layer to Bottom Layer, 9 vias
v4: diameter 0.4, hole 0.2, Top Layer to Bottom Layer, 8 vias

## Nets (pads, with @x,y where several pads share a name; then routed paths per layer and width w, separated by ;. In a path a pad name is that pad's centre, name@x,y a point inside that pad or via, vN(x,y) a via of type N, cw(c..) or ccw(c..) an arc to the next point about the centre after c; other vN are vias at no path point)
1V2: 1V2.1 C4.2 C9.2 C49.2 C51.2 C52.2 R18.1 U1.G7 U1.G9 U1.H8 U1.H10 U1.J7 U1.J9 U1.K8 U1.K10 U.20 | length 30.3
  Top Layer w0.2: v1@84.405,59.27 84.855,58.82 U1.G7@84.905,58.82 ; v1(84.436,60.39) 84.477,60.39 84.88,60.793 U1.G9@84.92,60.793 ; U1.H8@85.905,59.82 U1.J7@86.905,58.82 ; U1.H10@85.92,61.793 86.026,61.793 v1(86.469,61.35) ; U1.J9@86.92,60.793 86.92,60.832 87.318,61.229 87.343,61.229 87.906,61.793 U1.K10@87.92,61.793 ; U1.K8@87.899,59.78 87.968,59.849 87.968,59.999 v1@88.374,60.405
  Top Layer w0.8: v1(47.237,51.52) 47.547,51.21 48.195,51.21 1V2.1@48.43,50.975
  Power w1.2: v1@47.237,52.66 v1(47.237,51.52) 48.247,50.51 49.533,50.51 52.333,47.71 61.613,47.71
  Bottom Layer w0.2: C4.2@47.295,51.065 47.493,50.867 C4.2@47.77,50.59 ; v1(84.434,59.288) 84.462,59.288 84.805,58.945 C9.2@84.805,58.845 ; v1(86.405,59.32) 86.405,58.77 C52.2@86.23,58.595 86.596,58.229 86.596,58.226 86.737,58.085 88.09,58.085 C49.2@88.18,57.995 ; v1(88.384,60.465) 88.384,60.01 88.629,59.765 C51.2@88.684,59.765
  Bottom Layer w0.4: v1(47.237,51.52) 47.493,51.52 C4.2@47.493,50.867
  other v1: 47.23,52.112 47.2,52.725 87.393,61.33
1V5: 1V5.1 C6.2 C7.2 C10.2 C11.2 C13.2 C31.2 C39.2 C50.2 C54.2 C56.2 C57.2 C58.2 C59.2 C79.2 R7.2 R20.1 U1.D2 U1.G4 U1.J2 U1.K4 U1.N2 U7.A1 U7.A8 U7.B2 U7.C1 U7.C9 U7.D2 U7.D9 U7.E9 U7.F1 U7.G7 U7.H2 U7.H9 U7.K2 U7.K8 U7.N1 U7.N9 U7.R1 U7.R9 U.23 | length 59.5
  Top Layer w0.2: v1(60.82,39.39) 62.05,39.39 1V5.1@62.29,39.63 ; v2@81.055,32.295 81.055,32.795 U7.R9@81.08,32.82 ; v2(81.055,39.745) 81.055,39.245 U7.R1@81.08,39.22 ; U1.D2@81.905,53.82 82.297,54.212 v1(82.297,54.339) ; v2@82.68,32.32 U7.N9@82.68,32.82 ; U7.N1@82.68,39.22 v2(82.68,39.795) ; v1(84.471,55.403) 84.488,55.403 U1.G4@84.905,55.82 ; U7.K8@85.08,33.62 85.08,33.6 85.48,33.2 85.48,32.13 v2(85.45,32.1) ; U7.K2@85.08,38.42 85.08,38.445 85.092,38.432 85.525,38 v2(85.525,37.99) ; v2(86.355,38.795) 86.355,38.77 86.68,38.445 U7.H2@86.68,38.42 ; v1(86.549,54.32) 86.588,54.282 86.588,54.193 86.905,53.876 U1.J2@86.905,53.82 ; v2(86.655,32.32) 86.655,32.795 U7.H9@86.68,32.82 ; U7.G7@87.48,34.42 87.522,34.42 87.8,34.142 87.8,34.033 v2(87.839,33.995) ; v1(87.489,56.295) 87.489,56.236 U1.K4@87.905,55.82 ; U7.F1@88.28,39.22 v2(88.28,39.745) ; v2(89.08,32.32) U7.E9@89.08,32.82 ; v2@89.518,38.77 89.855,38.433 89.855,38.42 U7.D2@89.88,38.42 ; v2(89.855,32.32) 89.855,32.795 U7.D9@89.88,32.82 ; v2(90.68,32.27) U7.C9@90.68,32.82 ; U7.C1@90.68,39.22 v2(90.68,39.77) ; U1.N2@90.905,53.82 90.905,53.845 91.405,54.345 v1(91.421,54.345) ; U7.B2@91.48,38.42 v2(91.88,38.82) U7.A1@92.28,39.22 ; v2(91.855,33.22) 92.255,33.62 U7.A8@92.28,33.62
  Top Layer w0.4: v1(78.471,31.42) 78.77,31.121 78.77,29.7 R7.2@78.81,29.66
  Power w1.2: 39.8,52.31 v1(39.8,52.08) v1(39.8,51.579) 39.8,50.94 38.6,49.74 38.6,45.37 40.18,43.79 43.29,43.79 46.24,40.84 55.96,40.84
  Bottom Layer w0.2: C79.2@38.82,52.775 C79.2@39.02,52.975 ; C31.2@75.04,31.485 75.052,31.497 C39.2@75.052,32.71 75.06,32.718 v1(75.06,33.39) ; C59.2@78.071,31.42 v1(78.471,31.42) ; v1(78.682,51.596) 79.336,51.596 C50.2@79.51,51.77 ; v2(80.38,31.18) 80.38,30.3 C6.2@80.54,30.14 ; C54.2@81.005,40.945 81.055,40.895 v2(81.055,39.745) ; C58.2@81.98,53.545 82.128,53.693 82.128,54.038 82.259,54.169 82.259,54.301 v1(82.297,54.339) ; v2(83.679,30.845) 83.733,30.845 83.803,30.775 84.795,30.775 85.27,30.3 C7.2@85.27,30.17 85.323,30.117 C11.2@85.323,28.35 ; C10.2@90.345,30.455 90.985,30.455 v1(91.31,30.78) 91.315,30.775 C57.2@91.983,30.775 ; v1(91.421,54.345) 91.421,53.754 C56.2@91.605,53.57 ; v1(93.78,32.77) C13.2@94.705,32.77
  Bottom Layer w0.5: C79.2@39.02,52.975 39.354,52.64 v1(39.8,52.64)
  other v1: 40.198,51.85 40.18,52.352
  other v2: 81.055,32.27 82.68,32.295 89.505,38.77
1V8: 1V8.1 C8.2 C20.2 C22.2 C27.2 C46.2 C48.2 C66.2 C67.2 C68.2 C69.2 C70.2 C71.2 J1.33 J1.34 L1.2 L5.2 R23.2 R76.2 U1.D15 U1.G13 U1.J15 U1.K13 U1.N15 U1.R13 U9.2 U9.14 U9.24 U9.40 U9.52 U9.60 U.19 | length 61.5
  Top Layer w0.2: C20.2@33.27,43.84 C20.2@33.19,43.92 34.54,43.92 ; v1@37.35,51.465 37.35,51.49 1V8.1@38.24,52.38 ; U.19@44.755,50.406 44.755,50.66 U.19@44.807,50.712 ; v1@45.472,50.712 v1(45.5,50.74) ; v1(52.45,63.75) U9.2@53.75,63.75 ; L5.2@53.125,70.2 53.455,70.53 v1(54.4,70.53) ; U9.14@53.75,57.75 53.753,57.747 v1(54.8,57.747) ; U9.60@57.7,66.2 57.725,66.175 57.725,65.1 v1(57.75,65.075) ; U9.24@59.2,54.8 59.213,54.813 59.213,55.888 v1(59.225,55.9) ; U9.52@61.7,66.2 61.7,67.325 61.9,67.525 v1(62.893,67.525) ; v1@81.505,66.34 81.92,66.755 U1.D15@81.92,66.793 ; v1@84.454,64.37 84.877,64.793 U1.G13@84.92,64.793 ; U1.J15@86.92,66.793 86.92,66.778 v1@87.393,66.305 ; v1@87.417,65.27 87.894,64.793 U1.K13@87.92,64.793 ; v1@90.504,67.23 90.92,66.814 U1.N15@90.92,66.793 ; v1@90.73,70.889 90.67,70.949 R76.2@90.67,71.99 R76.2@91.02,71.64 ; v1(92.488,65.19) U1.R13@92.899,64.78 ; L5.2@53.165,69.89 52.765,69.89 52.705,69.95 52.905,70.15 52.99,70.065 L5.2@53.165,69.89 ; L5.2@53.165,69.89 53.345,69.89 53.255,69.8 L5.2@53.165,69.89
  Top Layer w0.25: v1(62.96,60.25) U9.40@65.15,60.25
  Top Layer w0.3: J1.34@68.885,83.768 68.885,82.637 69.102,82.42 v1(69.133,82.42) ; v1@69.078,82.407 69.39,82.719 69.39,83.763 J1.33@69.385,83.768
  Top Layer w0.4: U.19@44.807,50.712 v1@45.472,50.712
  Power w0.2: v1(45.5,50.74) v1@45.51,50.75
  Power w0.6: v1(69.133,82.42) 69.133,81.647 71.2,79.58 73.34,79.58
  Power w0.8: v1@45.51,50.75 45.51,53.716
  Power w1.2: v1(34.93,46.75) v1(35.64,46.75) v1(36.33,46.75) ; v1@36.33,46.79 36.33,50.42 v1@37.345,51.435 ; v1(37.34,51.44) 37.34,52.32 38.63,53.61 41,53.61 41.38,53.99 42.853,53.99
  Bottom Layer w0.2: R23.2@33.18,43.83 34.19,42.82 v1@34.787,42.82 ; C69.2@53.75,57.55 53.947,57.747 v1(54.8,57.747) ; C27.2@56.2,65.975 57.704,65.975 C67.2@57.779,66.05 57.779,64.996 v1@57.75,65.025 ; v1(59.225,55.9) 59.579,56.254 59.909,56.254 C68.2@60,56.345 ; v1(74.445,68.49) 74.445,67.93 74.515,67.86 74.58,67.795 C71.2@74.455,67.67 ; C48.2@81.28,67.82 81.49,67.61 81.49,66.352 v1(81.509,66.333) ; v1(84.434,64.37) 84.434,64.384 C66.2@84.97,64.92 C66.2@84.77,65.12 ; v1(87.397,66.298) 87.451,66.298 87.609,66.14 87.97,66.14 88.23,65.88 88.23,65.43 88.063,65.263 v1(87.421,65.263) ; C46.2@90.01,67.99 90.173,67.827 90.173,67.508 90.47,67.211 90.47,67.207 90.508,67.169 90.44,67.101 90.44,66.5 C70.2@90.23,66.29